# KiCad board tekskey-rounded-half.kicad_pcb (continued)
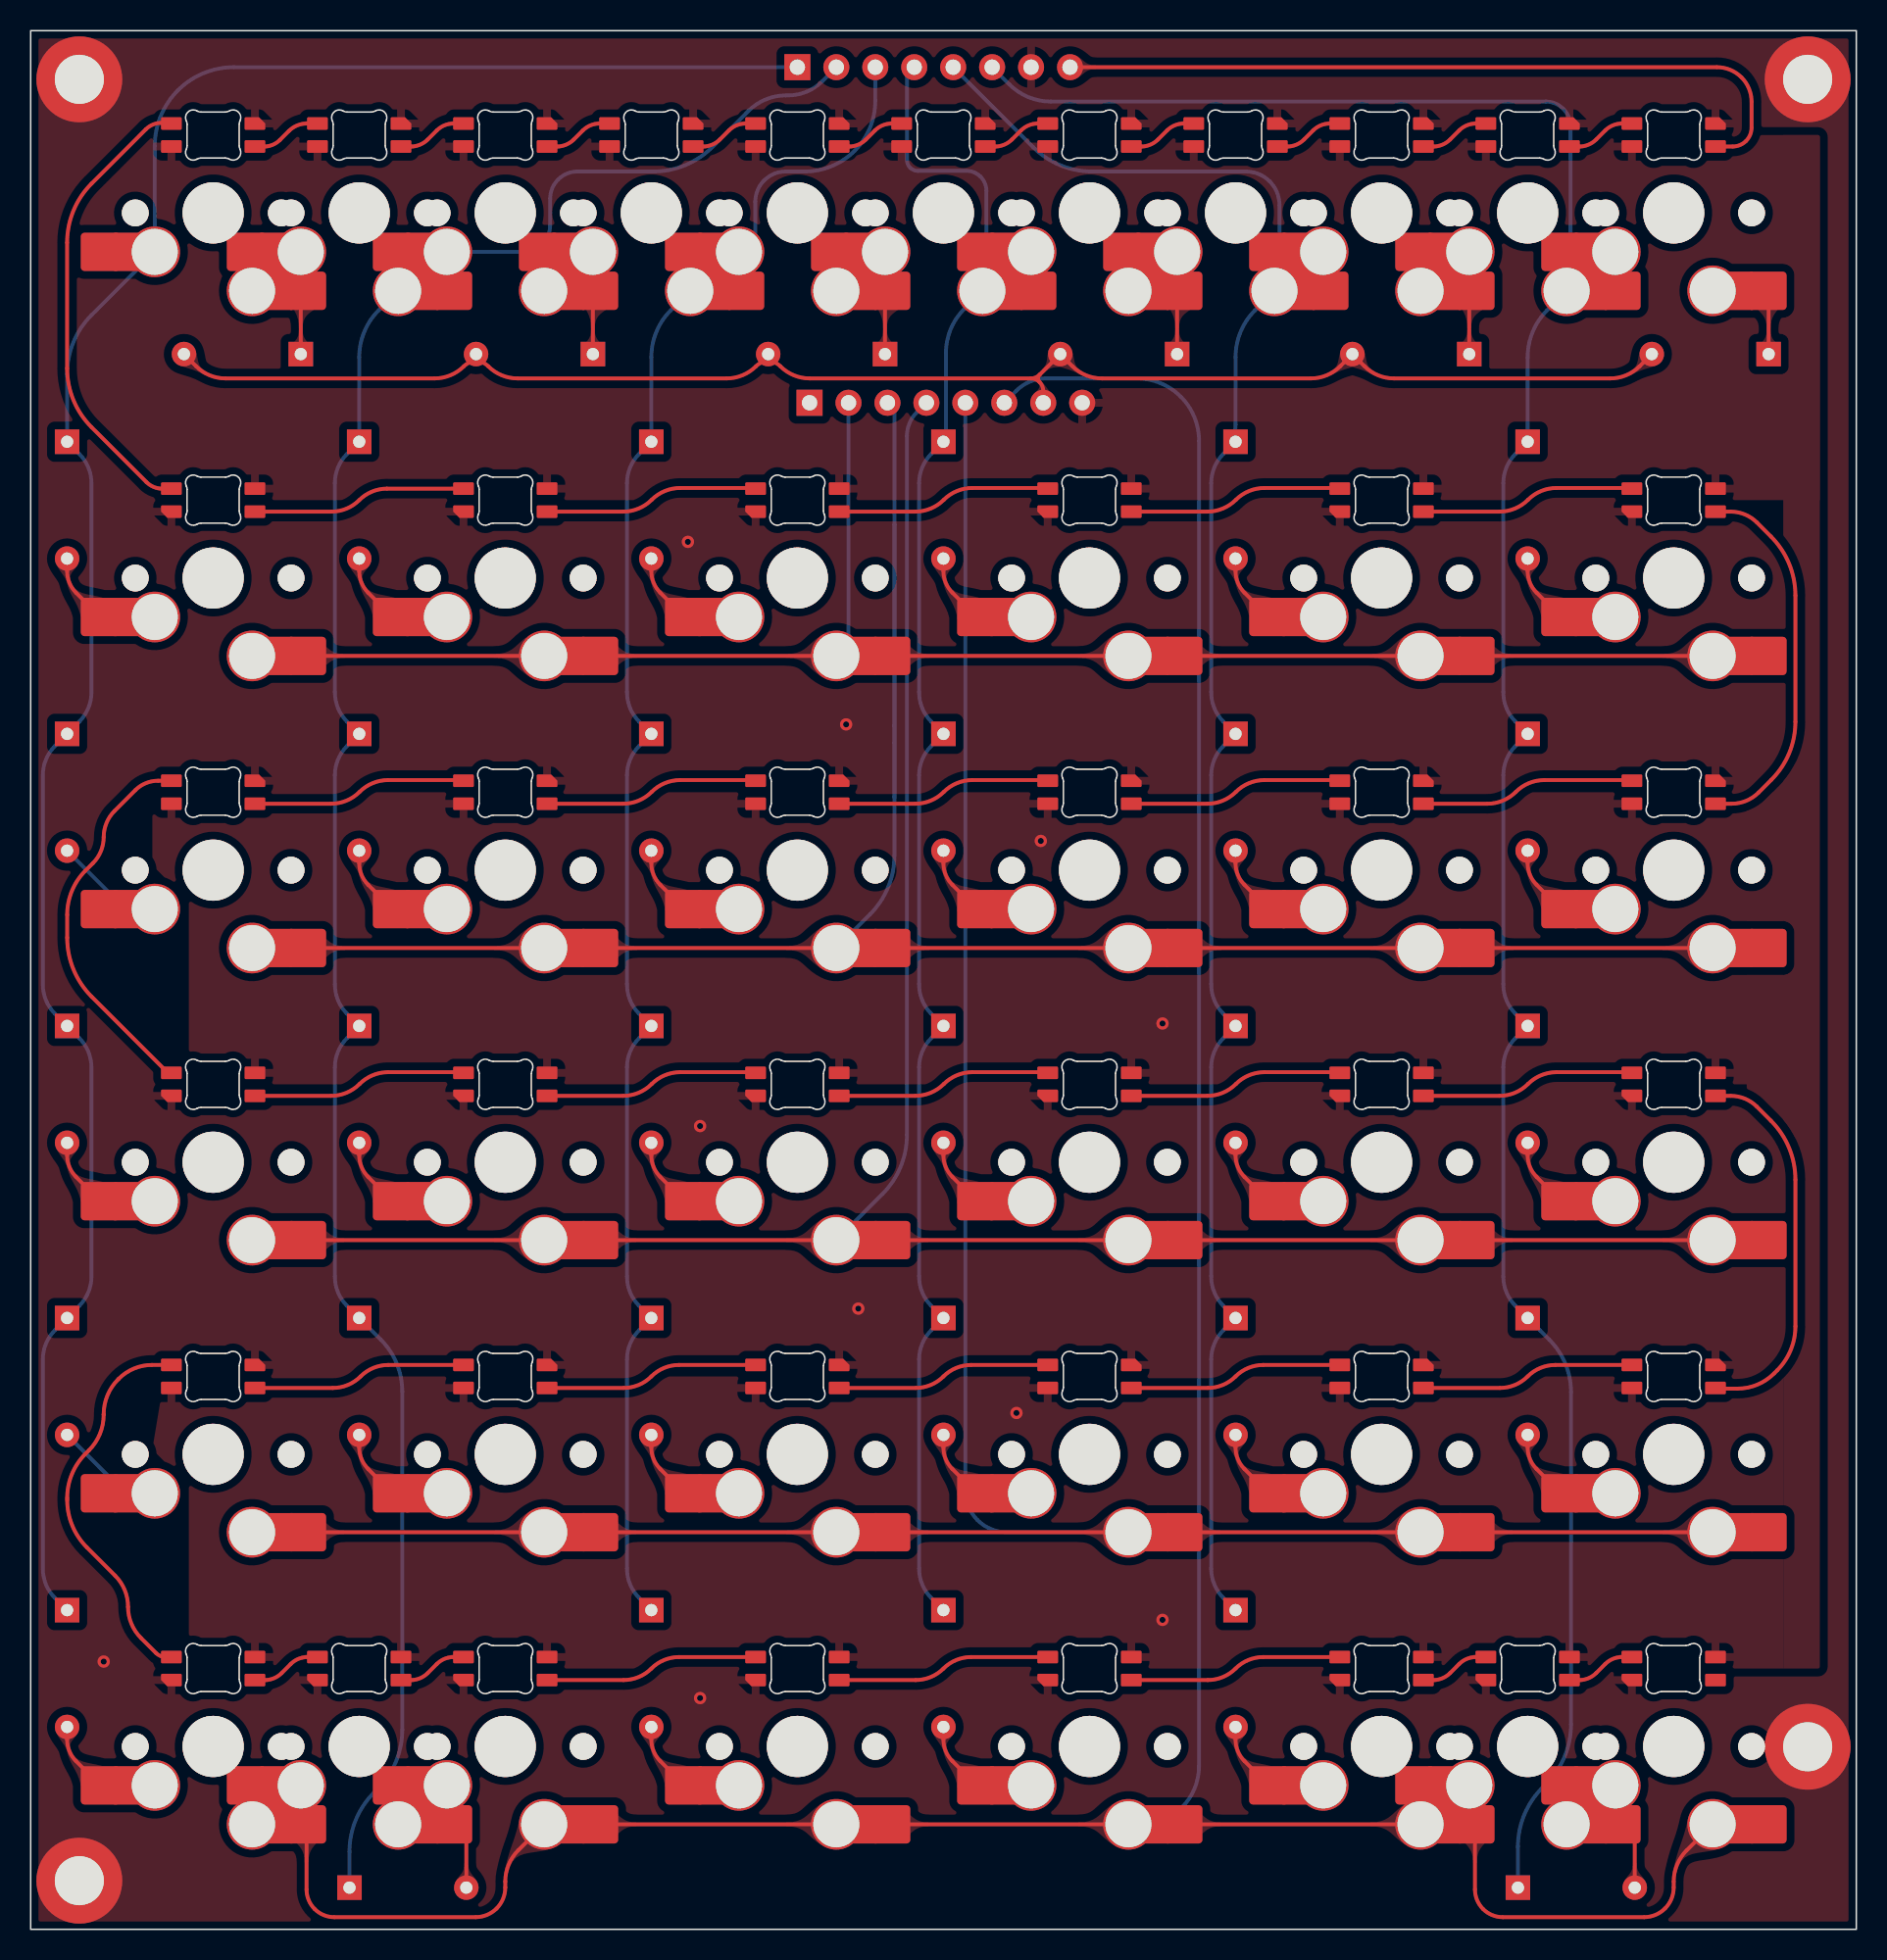
[diagram p0: board, top side]
## Copper pours and planes (outline as drawn; the poured copper is in the pictures) (continued)
col5 on Top: 102.2,108.4 101.97,108.63 101.78,108.84 101.63,109.02 101.51,109.19 101.39,109.36 101.28,109.51 101.17,109.67 101.05,109.85 100.9,110.03 100.72,110.24 99.21,109.63 99.87,108.15 100.07,108.17 100.25,108.18 100.42,108.18 100.57,108.18 100.72,108.16 100.86,108.12 101.01,108.06 101.16,107.97 101.32,107.85 101.49,107.69
col5 on Bottom: 102.4,109.27 102.11,109.01 101.84,108.83 101.58,108.72 101.33,108.65 101.09,108.62 100.84,108.61 100.57,108.6 100.29,108.57 99.97,108.52 99.63,108.42 99.58,106.28 101.73,106.32 101.82,106.67 101.88,106.98 101.9,107.26 101.91,107.53 101.93,107.78 101.96,108.03 102.02,108.28 102.14,108.53 102.32,108.8 102.58,109.1
col5 on Bottom: 96.47,57.42 96.58,57.61 96.7,57.75 96.82,57.85 96.94,57.92 97.07,57.97 97.21,58.01 97.52,58.06 97.7,58.1 97.89,58.16 97.91,59.2 96.87,59.18 96.8,58.98 96.75,58.8 96.66,58.51 96.62,58.38 96.57,58.24 96.52,58.1 96.45,57.94 96.36,57.76 96.25,57.54
col5 on Bottom: 98.09,104.18 98.27,104.52 98.46,104.76 98.68,104.92 98.91,105.02 99.16,105.08 99.43,105.1 99.72,105.12 100.03,105.15 100.36,105.2 100.71,105.3 100.75,107.44 98.61,107.4 98.49,107.03 98.41,106.7 98.36,106.41 98.32,106.14 98.3,105.89 98.26,105.63 98.21,105.35 98.14,105.04 98.02,104.69 97.86,104.28
col5 on Bottom: 96.87,4.31 96.86,4.12 96.83,3.97 96.79,3.84 96.73,3.73 96.67,3.64 96.6,3.54 96.52,3.45 96.43,3.34 96.35,3.22 96.27,3.07 96.99,2.32 97.71,3.07 97.63,3.22 97.55,3.34 97.47,3.45 97.39,3.54 97.31,3.64 97.25,3.73 97.2,3.84 97.15,3.97 97.13,4.12 97.12,4.31
col5 on Bottom: 97.5,98.61 97.49,98.42 97.47,98.27 97.42,98.14 97.37,98.03 97.3,97.93 97.23,97.84 97.15,97.74 97.07,97.64 96.99,97.51 96.91,97.37 97.63,96.62 98.35,97.37 98.27,97.51 98.18,97.64 98.1,97.74 98.02,97.84 97.95,97.93 97.88,98.03 97.83,98.14 97.79,98.27 97.76,98.42 97.75,98.61
col5 on Bottom: 96.25,79.34 96.36,79.13 96.45,78.95 96.52,78.79 96.57,78.64 96.62,78.51 96.66,78.37 96.75,78.08 96.8,77.91 96.87,77.7 97.91,77.68 97.89,78.72 97.7,78.78 97.52,78.82 97.21,78.88 97.07,78.91 96.94,78.96 96.82,79.03 96.7,79.13 96.58,79.27 96.47,79.46
col5 on Bottom: 96.47,95.52 96.58,95.71 96.7,95.85 96.82,95.95 96.94,96.02 97.07,96.07 97.21,96.11 97.52,96.16 97.7,96.2 97.89,96.26 97.91,97.3 96.87,97.28 96.8,97.08 96.75,96.9 96.66,96.61 96.62,96.48 96.57,96.34 96.52,96.2 96.45,96.04 96.36,95.86 96.25,95.64
col5 on Bottom: 100.3,110.15 100.28,109.77 100.21,109.47 100.11,109.22 99.98,109.01 99.82,108.83 99.64,108.67 99.44,108.49 99.24,108.3 99.02,108.08 98.81,107.8 100.04,106.04 101.74,107.34 101.62,107.69 101.47,107.99 101.31,108.23 101.15,108.45 101,108.66 100.86,108.87 100.73,109.11 100.63,109.39 100.57,109.73 100.55,110.15
col5 on Bottom: 96.25,60.29 96.36,60.08 96.45,59.9 96.52,59.74 96.57,59.59 96.62,59.46 96.66,59.32 96.75,59.03 96.8,58.86 96.87,58.65 97.91,58.63 97.89,59.67 97.7,59.73 97.52,59.77 97.21,59.83 97.07,59.86 96.94,59.91 96.82,59.98 96.7,60.08 96.58,60.22 96.47,60.41
col5 on Bottom: 96.47,76.47 96.58,76.66 96.7,76.8 96.82,76.9 96.94,76.97 97.07,77.02 97.21,77.06 97.52,77.11 97.7,77.15 97.89,77.21 97.91,78.25 96.87,78.23 96.8,78.03 96.75,77.85 96.66,77.56 96.62,77.43 96.57,77.29 96.52,77.15 96.45,76.99 96.36,76.81 96.25,76.59
col5 on Bottom: 64.55,119.9 64.31,120.06 64.13,120.22 63.99,120.37 63.89,120.53 63.81,120.69 63.75,120.86 63.7,121.05 63.64,121.25 63.58,121.47 63.5,121.72 62.4,121.74 62.42,120.64 62.68,120.55 62.89,120.48 63.08,120.41 63.25,120.34 63.42,120.27 63.58,120.19 63.75,120.09 63.94,119.98 64.16,119.85 64.42,119.69
col5 on Bottom: 100.82,107.34 101.09,107.58 101.34,107.73 101.58,107.83 101.81,107.87 102.04,107.87 102.28,107.85 102.53,107.81 102.8,107.77 103.1,107.75 103.44,107.75 104.06,109.8 101.99,110.34 101.79,110.02 101.65,109.72 101.56,109.44 101.49,109.17 101.43,108.92 101.37,108.66 101.27,108.4 101.13,108.12 100.93,107.83 100.65,107.52
LEDIN on Top: 69.47,121.57 69.27,121.58 69.11,121.61 68.97,121.65 68.86,121.71 68.76,121.78 68.66,121.86 68.56,121.95 68.44,122.03 68.31,122.12 68.15,122.21 67.36,121.44 68.15,120.68 68.31,120.77 68.44,120.85 68.56,120.94 68.66,121.03 68.76,121.1 68.86,121.17 68.97,121.23 69.11,121.28 69.27,121.31 69.47,121.32
row0 on Top: 68.64,101.57 68.45,101.69 68.31,101.8 68.21,101.92 68.14,102.04 68.09,102.18 68.06,102.32 68,102.63 67.96,102.8 67.9,102.99 66.86,103.02 66.88,101.98 67.09,101.91 67.26,101.85 67.55,101.77 67.69,101.72 67.82,101.68 67.97,101.62 68.12,101.55 68.31,101.46 68.52,101.35
row0 on Top: 65.71,100.82 65.76,100.75 65.79,100.67 65.79,100.6 65.77,100.53 65.73,100.46 65.68,100.4 65.62,100.33 65.57,100.28 65.46,100.19 66.06,99.13 66.54,100.24 66.47,100.29 66.42,100.35 66.36,100.41 66.31,100.48 66.2,100.63 66.14,100.71 66.07,100.8 65.98,100.89 65.89,100.99
row0 on Top: 87.69,101.57 87.5,101.69 87.36,101.8 87.26,101.92 87.19,102.04 87.14,102.18 87.11,102.32 87.05,102.63 87.01,102.8 86.95,102.99 85.91,103.02 85.93,101.98 86.14,101.91 86.31,101.85 86.6,101.77 86.74,101.72 86.87,101.68 87.02,101.62 87.17,101.55 87.36,101.46 87.57,101.35
row0 on Top: 11.49,101.57 11.3,101.69 11.16,101.8 11.06,101.92 10.99,102.04 10.94,102.18 10.91,102.32 10.85,102.63 10.81,102.8 10.75,102.99 9.71,103.02 9.73,101.98 9.94,101.91 10.11,101.85 10.4,101.77 10.54,101.72 10.67,101.68 10.82,101.62 10.97,101.55 11.16,101.46 11.37,101.35
row0 on Top: 84.82,101.35 85.04,101.46 85.22,101.55 85.38,101.62 85.52,101.68 85.66,101.72 85.79,101.77 86.08,101.85 86.26,101.91 86.46,101.98 86.48,103.02 85.44,102.99 85.38,102.8 85.34,102.63 85.28,102.32 85.25,102.18 85.2,102.04 85.13,101.92 85.03,101.8 84.89,101.69 84.7,101.57
row0 on Top: 104.35,101.35 104.56,101.46 104.74,101.55 104.9,101.62 105.05,101.68 105.18,101.72 105.32,101.77 105.61,101.85 105.78,101.91 105.99,101.98 106.01,103.02 104.97,102.99 104.91,102.8 104.87,102.63 104.81,102.32 104.78,102.18 104.73,102.04 104.66,101.92 104.56,101.8 104.42,101.69 104.23,101.57
row0 on Top: 66.11,101.52 66.25,101.65 66.38,101.73 66.5,101.8 66.61,101.83 66.73,101.86 66.84,101.87 66.97,101.88 67.1,101.9 67.25,101.93 67.41,101.98 67.43,103.02 66.39,102.99 66.34,102.83 66.31,102.69 66.3,102.55 66.28,102.43 66.27,102.31 66.25,102.2 66.21,102.08 66.15,101.96 66.06,101.84 65.93,101.7
row1 on Top: 58.58,83.17 58.28,83.19 58.04,83.24 57.84,83.31 57.68,83.4 57.53,83.51 57.38,83.64 57.24,83.77 57.07,83.91 56.87,84.04 56.64,84.17 55.47,83.05 56.64,81.92 56.87,82.05 57.07,82.19 57.24,82.33 57.38,82.46 57.53,82.58 57.68,82.69 57.84,82.79 58.04,82.86 58.28,82.91 58.58,82.92
row1 on Top: 87.35,82.92 87.75,82.9 88.07,82.83 88.33,82.74 88.55,82.61 88.74,82.45 88.93,82.29 89.13,82.11 89.35,81.92 89.61,81.74 89.92,81.56 91.47,83.05 89.92,84.53 89.61,84.36 89.35,84.17 89.13,83.99 88.93,83.81 88.74,83.64 88.55,83.49 88.33,83.36 88.07,83.26 87.75,83.19 87.35,83.17
row1 on Top: 49.25,82.92 49.65,82.9 49.97,82.83 50.23,82.74 50.45,82.61 50.64,82.45 50.83,82.29 51.03,82.11 51.25,81.92 51.51,81.74 51.82,81.56 53.37,83.05 51.82,84.53 51.51,84.36 51.25,84.17 51.03,83.99 50.83,83.81 50.64,83.64 50.45,83.49 50.23,83.36 49.97,83.26 49.65,83.19 49.25,83.17
row1 on Top: 20.48,83.17 20.18,83.19 19.94,83.24 19.74,83.31 19.58,83.4 19.43,83.51 19.28,83.64 19.14,83.77 18.97,83.91 18.77,84.04 18.54,84.17 17.37,83.05 18.54,81.92 18.77,82.05 18.97,82.19 19.14,82.33 19.28,82.46 19.43,82.58 19.58,82.69 19.74,82.79 19.94,82.86 20.18,82.91 20.48,82.92
row1 on Top: 106.4,82.92 106.8,82.9 107.12,82.83 107.38,82.74 107.6,82.61 107.79,82.45 107.98,82.29 108.18,82.11 108.4,81.92 108.66,81.74 108.97,81.56 110.52,83.05 108.97,84.53 108.66,84.36 108.4,84.17 108.18,83.99 107.98,83.81 107.79,83.64 107.6,83.49 107.38,83.36 107.12,83.26 106.8,83.19 106.4,83.17
row1 on Top: 30.2,82.92 30.6,82.9 30.92,82.83 31.18,82.74 31.4,82.61 31.59,82.45 31.78,82.29 31.98,82.11 32.2,81.92 32.46,81.74 32.77,81.56 34.32,83.05 32.77,84.53 32.46,84.36 32.2,84.17 31.98,83.99 31.78,83.81 31.59,83.64 31.4,83.49 31.18,83.36 30.92,83.26 30.6,83.19 30.2,83.17
row1 on Top: 96.68,83.17 96.38,83.19 96.14,83.24 95.94,83.31 95.78,83.4 95.63,83.51 95.48,83.64 95.34,83.77 95.17,83.91 94.97,84.04 94.74,84.17 93.57,83.05 94.74,81.92 94.97,82.05 95.17,82.19 95.34,82.33 95.48,82.46 95.63,82.58 95.78,82.69 95.94,82.79 96.14,82.86 96.38,82.91 96.68,82.92
row1 on Top: 77.63,83.17 77.33,83.19 77.09,83.24 76.89,83.31 76.73,83.4 76.58,83.51 76.43,83.64 76.29,83.77 76.12,83.91 75.92,84.04 75.69,84.17 74.52,83.05 75.69,81.92 75.92,82.05 76.12,82.19 76.29,82.33 76.43,82.46 76.58,82.58 76.73,82.69 76.89,82.79 77.09,82.86 77.33,82.91 77.63,82.92
row1 on Top: 68.3,82.92 68.7,82.9 69.02,82.83 69.28,82.74 69.5,82.61 69.69,82.45 69.88,82.29 70.08,82.11 70.3,81.92 70.56,81.74 70.87,81.56 72.42,83.05 70.87,84.53 70.56,84.36 70.3,84.17 70.08,83.99 69.88,83.81 69.69,83.64 69.5,83.49 69.28,83.36 69.02,83.26 68.7,83.19 68.3,83.17
row1 on Top: 39.53,83.17 39.23,83.19 38.99,83.24 38.79,83.31 38.63,83.4 38.48,83.51 38.33,83.64 38.19,83.77 38.02,83.91 37.82,84.04 37.59,84.17 36.42,83.05 37.59,81.92 37.82,82.05 38.02,82.19 38.19,82.33 38.33,82.46 38.48,82.58 38.63,82.69 38.79,82.79 38.99,82.86 39.23,82.91 39.53,82.92
row1 on Bottom: 53.21,86.15 53.19,85.83 53.12,85.57 53.02,85.36 52.89,85.19 52.72,85.05 52.53,84.93 52.32,84.82 52.09,84.7 51.84,84.56 51.58,84.39 52.15,82.32 54.19,83.05 54.17,83.44 54.12,83.76 54.03,84.04 53.93,84.29 53.83,84.53 53.72,84.78 53.62,85.05 53.54,85.35 53.48,85.71 53.46,86.15
row1 on Bottom: 53.46,97.87 53.47,98.07 53.5,98.23 53.55,98.37 53.6,98.48 53.67,98.58 53.75,98.68 53.84,98.78 53.93,98.9 54.01,99.03 54.1,99.19 53.34,99.98 52.57,99.19 52.66,99.03 52.75,98.9 52.83,98.78 52.92,98.68 53,98.58 53.07,98.48 53.13,98.37 53.17,98.23 53.2,98.07 53.21,97.87
row2 on Top: 96.68,64.12 96.38,64.14 96.14,64.19 95.94,64.26 95.78,64.35 95.63,64.46 95.48,64.59 95.34,64.72 95.17,64.86 94.97,64.99 94.74,65.12 93.57,64 94.74,62.87 94.97,63 95.17,63.14 95.34,63.28 95.48,63.41 95.63,63.53 95.78,63.64 95.94,63.74 96.14,63.81 96.38,63.86 96.68,63.87
row2 on Top: 68.3,63.87 68.7,63.85 69.02,63.78 69.28,63.69 69.5,63.56 69.69,63.4 69.88,63.24 70.08,63.06 70.3,62.87 70.56,62.69 70.87,62.51 72.42,64 70.87,65.48 70.56,65.31 70.3,65.12 70.08,64.94 69.88,64.76 69.69,64.59 69.5,64.44 69.28,64.31 69.02,64.21 68.7,64.14 68.3,64.12
row2 on Top: 87.35,63.87 87.75,63.85 88.07,63.78 88.33,63.69 88.55,63.56 88.74,63.4 88.93,63.24 89.13,63.06 89.35,62.87 89.61,62.69 89.92,62.51 91.47,64 89.92,65.48 89.61,65.31 89.35,65.12 89.13,64.94 88.93,64.76 88.74,64.59 88.55,64.44 88.33,64.31 88.07,64.21 87.75,64.14 87.35,64.12
row2 on Top: 106.4,63.87 106.8,63.85 107.12,63.78 107.38,63.69 107.6,63.56 107.79,63.4 107.98,63.24 108.18,63.06 108.4,62.87 108.66,62.69 108.97,62.51 110.52,64 108.97,65.48 108.66,65.31 108.4,65.12 108.18,64.94 107.98,64.76 107.79,64.59 107.6,64.44 107.38,64.31 107.12,64.21 106.8,64.14 106.4,64.12
row2 on Top: 39.53,64.12 39.23,64.14 38.99,64.19 38.79,64.26 38.63,64.35 38.48,64.46 38.33,64.59 38.19,64.72 38.02,64.86 37.82,64.99 37.59,65.12 36.42,64 37.59,62.87 37.82,63 38.02,63.14 38.19,63.28 38.33,63.41 38.48,63.53 38.63,63.64 38.79,63.74 38.99,63.81 39.23,63.86 39.53,63.87
row2 on Top: 58.58,64.12 58.28,64.14 58.04,64.19 57.84,64.26 57.68,64.35 57.53,64.46 57.38,64.59 57.24,64.72 57.07,64.86 56.87,64.99 56.64,65.12 55.47,64 56.64,62.87 56.87,63 57.07,63.14 57.24,63.28 57.38,63.41 57.53,63.53 57.68,63.64 57.84,63.74 58.04,63.81 58.28,63.86 58.58,63.87
row2 on Top: 30.2,63.87 30.6,63.85 30.92,63.78 31.18,63.69 31.4,63.56 31.59,63.4 31.78,63.24 31.98,63.06 32.2,62.87 32.46,62.69 32.77,62.51 34.32,64 32.77,65.48 32.46,65.31 32.2,65.12 31.98,64.94 31.78,64.76 31.59,64.59 31.4,64.44 31.18,64.31 30.92,64.21 30.6,64.14 30.2,64.12
row2 on Top: 20.48,64.12 20.18,64.14 19.94,64.19 19.74,64.26 19.58,64.35 19.43,64.46 19.28,64.59 19.14,64.72 18.97,64.86 18.77,64.99 18.54,65.12 17.37,64 18.54,62.87 18.77,63 18.97,63.14 19.14,63.28 19.28,63.41 19.43,63.53 19.58,63.64 19.74,63.74 19.94,63.81 20.18,63.86 20.48,63.87
row2 on Top: 49.25,63.87 49.65,63.85 49.97,63.78 50.23,63.69 50.45,63.56 50.64,63.4 50.83,63.24 51.03,63.06 51.25,62.87 51.51,62.69 51.82,62.51 53.37,64 51.82,65.48 51.51,65.31 51.25,65.12 51.03,64.94 50.83,64.76 50.64,64.59 50.45,64.44 50.23,64.31 49.97,64.21 49.65,64.14 49.25,64.12
row2 on Top: 77.63,64.12 77.33,64.14 77.09,64.19 76.89,64.26 76.73,64.35 76.58,64.46 76.43,64.59 76.29,64.72 76.12,64.86 75.92,64.99 75.69,65.12 74.52,64 75.69,62.87 75.92,63 76.12,63.14 76.29,63.28 76.43,63.41 76.58,63.53 76.73,63.64 76.89,63.74 77.09,63.81 77.33,63.86 77.63,63.87
row2 on Bottom: 55.6,67.58 55.31,67.09 55.03,66.72 54.73,66.45 54.42,66.25 54.09,66.11 53.74,66 53.36,65.91 52.95,65.82 52.5,65.71 52,65.56 51.96,63.41 54.1,63.46 54.28,63.96 54.43,64.39 54.56,64.77 54.69,65.1 54.82,65.42 54.96,65.75 55.12,66.09 55.32,66.48 55.55,66.93 55.82,67.46
row2 on Bottom: 56.46,97.98 56.46,98.2 56.48,98.38 56.51,98.54 56.55,98.68 56.59,98.8 56.63,98.93 56.67,99.06 56.7,99.2 56.72,99.36 56.73,99.56 55.65,99.92 55.42,98.84 55.55,98.76 55.67,98.7 55.78,98.64 55.89,98.59 55.98,98.52 56.06,98.45 56.12,98.37 56.17,98.27 56.2,98.14 56.21,97.98
row3 on Top: 30.2,44.82 30.6,44.8 30.92,44.73 31.18,44.64 31.4,44.51 31.59,44.35 31.78,44.19 31.98,44.01 32.2,43.82 32.46,43.64 32.77,43.46 34.32,44.95 32.77,46.43 32.46,46.26 32.2,46.07 31.98,45.89 31.78,45.71 31.59,45.54 31.4,45.39 31.18,45.26 30.92,45.16 30.6,45.09 30.2,45.07
row3 on Top: 68.3,44.82 68.7,44.8 69.02,44.73 69.28,44.64 69.5,44.51 69.69,44.35 69.88,44.19 70.08,44.01 70.3,43.82 70.56,43.64 70.87,43.46 72.42,44.95 70.87,46.43 70.56,46.26 70.3,46.07 70.08,45.89 69.88,45.71 69.69,45.54 69.5,45.39 69.28,45.26 69.02,45.16 68.7,45.09 68.3,45.07
row3 on Top: 20.48,45.07 20.18,45.09 19.94,45.14 19.74,45.21 19.58,45.3 19.43,45.41 19.28,45.54 19.14,45.67 18.97,45.81 18.77,45.94 18.54,46.07 17.37,44.95 18.54,43.82 18.77,43.95 18.97,44.09 19.14,44.23 19.28,44.36 19.43,44.48 19.58,44.59 19.74,44.69 19.94,44.76 20.18,44.81 20.48,44.82
row3 on Top: 58.58,45.07 58.28,45.09 58.04,45.14 57.84,45.21 57.68,45.3 57.53,45.41 57.38,45.54 57.24,45.67 57.07,45.81 56.87,45.94 56.64,46.07 55.47,44.95 56.64,43.82 56.87,43.95 57.07,44.09 57.24,44.23 57.38,44.36 57.53,44.48 57.68,44.59 57.84,44.69 58.04,44.76 58.28,44.81 58.58,44.82
row3 on Top: 106.4,44.82 106.8,44.8 107.12,44.73 107.38,44.64 107.6,44.51 107.79,44.35 107.98,44.19 108.18,44.01 108.4,43.82 108.66,43.64 108.97,43.46 110.52,44.95 108.97,46.43 108.66,46.26 108.4,46.07 108.18,45.89 107.98,45.71 107.79,45.54 107.6,45.39 107.38,45.26 107.12,45.16 106.8,45.09 106.4,45.07
row3 on Top: 39.53,45.07 39.23,45.09 38.99,45.14 38.79,45.21 38.63,45.3 38.48,45.41 38.33,45.54 38.19,45.67 38.02,45.81 37.82,45.94 37.59,46.07 36.42,44.95 37.59,43.82 37.82,43.95 38.02,44.09 38.19,44.23 38.33,44.36 38.48,44.48 38.63,44.59 38.79,44.69 38.99,44.76 39.23,44.81 39.53,44.82
row3 on Top: 96.68,45.07 96.38,45.09 96.14,45.14 95.94,45.21 95.78,45.3 95.63,45.41 95.48,45.54 95.34,45.67 95.17,45.81 94.97,45.94 94.74,46.07 93.57,44.95 94.74,43.82 94.97,43.95 95.17,44.09 95.34,44.23 95.48,44.36 95.63,44.48 95.78,44.59 95.94,44.69 96.14,44.76 96.38,44.81 96.68,44.82
row3 on Top: 87.35,44.82 87.75,44.8 88.07,44.73 88.33,44.64 88.55,44.51 88.74,44.35 88.93,44.19 89.13,44.01 89.35,43.82 89.61,43.64 89.92,43.46 91.47,44.95 89.92,46.43 89.61,46.26 89.35,46.07 89.13,45.89 88.93,45.71 88.74,45.54 88.55,45.39 88.33,45.26 88.07,45.16 87.75,45.09 87.35,45.07
row3 on Top: 77.63,45.07 77.33,45.09 77.09,45.14 76.89,45.21 76.73,45.3 76.58,45.41 76.43,45.54 76.29,45.67 76.12,45.81 75.92,45.94 75.69,46.07 74.52,44.95 75.69,43.82 75.92,43.95 76.12,44.09 76.29,44.23 76.43,44.36 76.58,44.48 76.73,44.59 76.89,44.69 77.09,44.76 77.33,44.81 77.63,44.82
row3 on Top: 49.25,44.82 49.65,44.8 49.97,44.73 50.23,44.64 50.45,44.51 50.64,44.35 50.83,44.19 51.03,44.01 51.25,43.82 51.51,43.64 51.82,43.46 53.37,44.95 51.82,46.43 51.51,46.26 51.25,46.07 51.03,45.89 50.83,45.71 50.64,45.54 50.45,45.39 50.23,45.26 49.97,45.16 49.65,45.09 49.25,45.07
row3 on Bottom: 54.78,47.36 54.48,47.1 54.21,46.92 53.96,46.8 53.71,46.74 53.46,46.71 53.21,46.69 52.95,46.68 52.66,46.66 52.35,46.61 52,46.51 51.96,44.36 54.1,44.41 54.2,44.75 54.25,45.07 54.28,45.35 54.29,45.62 54.3,45.87 54.33,46.12 54.4,46.36 54.51,46.62 54.69,46.89 54.96,47.19
row3 on Bottom: 57.43,98.17 57.51,98.34 57.6,98.46 57.71,98.54 57.82,98.6 57.94,98.63 58.07,98.65 58.21,98.66 58.36,98.68 58.52,98.71 58.69,98.75 58.72,99.86 57.61,99.84 57.55,99.65 57.51,99.49 57.48,99.34 57.45,99.21 57.43,99.08 57.41,98.95 57.38,98.81 57.34,98.65 57.28,98.48 57.2,98.27
row4 on Top: 87.35,25.77 87.75,25.75 88.07,25.68 88.33,25.59 88.55,25.46 88.74,25.3 88.93,25.14 89.13,24.96 89.35,24.77 89.61,24.59 89.92,24.41 91.47,25.9 89.92,27.38 89.61,27.21 89.35,27.02 89.13,26.84 88.93,26.66 88.74,26.49 88.55,26.34 88.33,26.21 88.07,26.11 87.75,26.04 87.35,26.02
row4 on Top: 77.63,26.02 77.33,26.04 77.09,26.09 76.89,26.16 76.73,26.25 76.58,26.36 76.43,26.49 76.29,26.62 76.12,26.76 75.92,26.89 75.69,27.02 74.52,25.9 75.69,24.77 75.92,24.9 76.12,25.04 76.29,25.18 76.43,25.31 76.58,25.43 76.73,25.54 76.89,25.64 77.09,25.71 77.33,25.76 77.63,25.77
row4 on Top: 58.58,26.02 58.28,26.04 58.04,26.09 57.84,26.16 57.68,26.25 57.53,26.36 57.38,26.49 57.24,26.62 57.07,26.76 56.87,26.89 56.64,27.02 55.47,25.9 56.64,24.77 56.87,24.9 57.07,25.04 57.24,25.18 57.38,25.31 57.53,25.43 57.68,25.54 57.84,25.64 58.04,25.71 58.28,25.76 58.58,25.77
row4 on Top: 39.53,26.02 39.23,26.04 38.99,26.09 38.79,26.16 38.63,26.25 38.48,26.36 38.33,26.49 38.19,26.62 38.02,26.76 37.82,26.89 37.59,27.02 36.42,25.9 37.59,24.77 37.82,24.9 38.02,25.04 38.19,25.18 38.33,25.31 38.48,25.43 38.63,25.54 38.79,25.64 38.99,25.71 39.23,25.76 39.53,25.77
row4 on Top: 106.4,25.77 106.8,25.75 107.12,25.68 107.38,25.59 107.6,25.46 107.79,25.3 107.98,25.14 108.18,24.96 108.4,24.77 108.66,24.59 108.97,24.41 110.52,25.9 108.97,27.38 108.66,27.21 108.4,27.02 108.18,26.84 107.98,26.66 107.79,26.49 107.6,26.34 107.38,26.21 107.12,26.11 106.8,26.04 106.4,26.02
row4 on Top: 20.48,26.02 20.18,26.04 19.94,26.09 19.74,26.16 19.58,26.25 19.43,26.36 19.28,26.49 19.14,26.62 18.97,26.76 18.77,26.89 18.54,27.02 17.37,25.9 18.54,24.77 18.77,24.9 18.97,25.04 19.14,25.18 19.28,25.31 19.43,25.43 19.58,25.54 19.74,25.64 19.94,25.71 20.18,25.76 20.48,25.77
row4 on Top: 68.3,25.77 68.7,25.75 69.02,25.68 69.28,25.59 69.5,25.46 69.69,25.3 69.88,25.14 70.08,24.96 70.3,24.77 70.56,24.59 70.87,24.41 72.42,25.9 70.87,27.38 70.56,27.21 70.3,27.02 70.08,26.84 69.88,26.66 69.69,26.49 69.5,26.34 69.28,26.21 69.02,26.11 68.7,26.04 68.3,26.02
row4 on Top: 49.25,25.77 49.65,25.75 49.97,25.68 50.23,25.59 50.45,25.46 50.64,25.3 50.83,25.14 51.03,24.96 51.25,24.77 51.51,24.59 51.82,24.41 53.37,25.9 51.82,27.38 51.51,27.21 51.25,27.02 51.03,26.84 50.83,26.66 50.64,26.49 50.45,26.34 50.23,26.21 49.97,26.11 49.65,26.04 49.25,26.02
row4 on Top: 30.2,25.77 30.6,25.75 30.92,25.68 31.18,25.59 31.4,25.46 31.59,25.3 31.78,25.14 31.98,24.96 32.2,24.77 32.46,24.59 32.77,24.41 34.32,25.9 32.77,27.38 32.46,27.21 32.2,27.02 31.98,26.84 31.78,26.66 31.59,26.49 31.4,26.34 31.18,26.21 30.92,26.11 30.6,26.04 30.2,26.02
row4 on Top: 96.68,26.02 96.38,26.04 96.14,26.09 95.94,26.16 95.78,26.25 95.63,26.36 95.48,26.49 95.34,26.62 95.17,26.76 94.97,26.89 94.74,27.02 93.57,25.9 94.74,24.77 94.97,24.9 95.17,25.04 95.34,25.18 95.48,25.31 95.63,25.43 95.78,25.54 95.94,25.64 96.14,25.71 96.38,25.76 96.68,25.77
row4 on Bottom: 68.3,25.77 68.7,25.75 69.02,25.68 69.28,25.59 69.5,25.46 69.69,25.3 69.88,25.14 70.08,24.96 70.3,24.77 70.56,24.59 70.87,24.41 72.42,25.9 70.87,27.38 70.56,27.21 70.3,27.02 70.08,26.84 69.88,26.66 69.69,26.49 69.5,26.34 69.28,26.21 69.02,26.11 68.7,26.04 68.3,26.02
row4 on Bottom: 61.08,97.87 61.09,98.07 61.12,98.23 61.17,98.37 61.22,98.48 61.29,98.58 61.37,98.68 61.46,98.78 61.55,98.9 61.63,99.03 61.72,99.19 60.96,99.98 60.19,99.19 60.28,99.03 60.37,98.9 60.45,98.78 60.54,98.68 60.62,98.58 60.69,98.48 60.75,98.37 60.79,98.23 60.82,98.07 60.83,97.87
row5 on Top: 94.32,4.36 94.33,4.65 94.38,4.9 94.45,5.09 94.55,5.26 94.66,5.41 94.78,5.55 94.91,5.7 95.05,5.87 95.19,6.06 95.32,6.3 94.19,7.47 93.07,6.3 93.2,6.06 93.33,5.87 93.47,5.7 93.6,5.55 93.73,5.41 93.84,5.26 93.93,5.09 94,4.9 94.05,4.65 94.07,4.36
row5 on Top: 107.34,3.69 107.47,4.12 107.64,4.43 107.85,4.66 108.11,4.81 108.39,4.92 108.71,4.98 109.06,5.04 109.43,5.09 109.82,5.17 110.23,5.29 110.27,7.43 108.08,7.19 107.98,6.76 107.88,6.4 107.79,6.09 107.69,5.81 107.6,5.54 107.51,5.27 107.41,4.97 107.31,4.63 107.2,4.23 107.09,3.75
row5 on Top: 39.53,6.97 39.23,6.99 38.99,7.04 38.79,7.11 38.63,7.2 38.48,7.31 38.33,7.44 38.19,7.57 38.02,7.71 37.82,7.84 37.59,7.97 36.42,6.85 37.59,5.72 37.82,5.85 38.02,5.99 38.19,6.13 38.33,6.26 38.48,6.38 38.63,6.49 38.79,6.59 38.99,6.66 39.23,6.71 39.53,6.72
row5 on Top: 49.25,6.72 49.65,6.7 49.97,6.63 50.23,6.54 50.45,6.41 50.64,6.25 50.83,6.09 51.03,5.91 51.25,5.72 51.51,5.54 51.82,5.36 53.37,6.85 51.82,8.33 51.51,8.16 51.25,7.97 51.03,7.79 50.83,7.61 50.64,7.44 50.45,7.29 50.23,7.16 49.97,7.06 49.65,6.99 49.25,6.97
row5 on Top: 87.35,6.72 87.75,6.7 88.07,6.63 88.33,6.54 88.55,6.41 88.74,6.25 88.93,6.09 89.13,5.91 89.35,5.72 89.61,5.54 89.92,5.36 91.47,6.85 89.92,8.33 89.61,8.16 89.35,7.97 89.13,7.79 88.93,7.61 88.74,7.44 88.55,7.29 88.33,7.16 88.07,7.06 87.75,6.99 87.35,6.97
row5 on Top: 91.43,7.5 91.68,7.27 91.91,7.06 92.12,6.89 92.32,6.74 92.51,6.61 92.69,6.48 92.85,6.37 93,6.25 93.14,6.14 93.26,6.01 94.77,6.61 94.11,8.09 94,8.1 93.89,8.12 93.77,8.16 93.66,8.22 93.54,8.29 93.41,8.39 93.28,8.5 93.15,8.62 93,8.76 92.85,8.91
row5 on Top: 68.3,6.72 68.7,6.7 69.02,6.63 69.28,6.54 69.5,6.41 69.69,6.25 69.88,6.09 70.08,5.91 70.3,5.72 70.56,5.54 70.87,5.36 72.42,6.85 70.87,8.33 70.56,8.16 70.3,7.97 70.08,7.79 69.88,7.61 69.69,7.44 69.5,7.29 69.28,7.16 69.02,7.06 68.7,6.99 68.3,6.97
row5 on Top: 93.02,8.74 92.78,8.97 92.55,9.17 92.34,9.34 92.13,9.49 91.94,9.63 91.77,9.75 91.61,9.87 91.46,9.98 91.32,10.1 91.19,10.22 89.69,9.62 90.35,8.14 90.46,8.14 90.57,8.12 90.69,8.07 90.8,8.02 90.92,7.94 91.04,7.85 91.17,7.74 91.31,7.61 91.46,7.48 91.61,7.32
row5 on Top: 31.14,3.69 31.27,4.12 31.44,4.43 31.65,4.66 31.91,4.81 32.19,4.92 32.51,4.98 32.86,5.04 33.23,5.09 33.62,5.17 34.03,5.29 34.07,7.43 31.88,7.19 31.78,6.76 31.68,6.4 31.59,6.09 31.49,5.81 31.4,5.54 31.31,5.27 31.21,4.97 31.11,4.63 31,4.23 30.89,3.75
row5 on Top: 77.63,6.97 77.33,6.99 77.09,7.04 76.89,7.11 76.73,7.2 76.58,7.31 76.43,7.44 76.29,7.57 76.12,7.71 75.92,7.84 75.69,7.97 74.52,6.85 75.69,5.72 75.92,5.85 76.12,5.99 76.29,6.13 76.43,6.26 76.58,6.38 76.73,6.49 76.89,6.59 77.09,6.66 77.33,6.71 77.63,6.72
row5 on Top: 18.12,4.36 18.13,4.65 18.18,4.9 18.25,5.09 18.35,5.26 18.46,5.41 18.58,5.55 18.71,5.7 18.85,5.87 18.99,6.06 19.12,6.3 17.99,7.47 16.87,6.3 17,6.06 17.13,5.87 17.27,5.7 17.4,5.55 17.53,5.41 17.64,5.26 17.73,5.09 17.8,4.9 17.85,4.65 17.87,4.36
row5 on Top: 15.59,7.85 15.81,7.62 16,7.41 16.15,7.22 16.28,7.05 16.39,6.89 16.5,6.73 16.61,6.57 16.74,6.4 16.88,6.22 17.06,6.01 18.57,6.61 17.91,8.09 17.71,8.08 17.53,8.07 17.37,8.06 17.21,8.07 17.06,8.09 16.92,8.13 16.77,8.19 16.62,8.28 16.47,8.4 16.29,8.56
row5 on Top: 58.58,6.97 58.28,6.99 58.04,7.04 57.84,7.11 57.68,7.2 57.53,7.31 57.38,7.44 57.24,7.57 57.07,7.71 56.87,7.84 56.64,7.97 55.47,6.85 56.64,5.72 56.87,5.85 57.07,5.99 57.24,6.13 57.38,6.26 57.53,6.38 57.68,6.49 57.84,6.59 58.04,6.66 58.28,6.71 58.58,6.72
row5 on Bottom: 15.1,7.33 15.37,7.56 15.62,7.72 15.85,7.82 16.08,7.86 16.31,7.86 16.55,7.83 16.81,7.8 17.08,7.76 17.38,7.74 17.71,7.74 18.34,9.79 16.26,10.33 16.06,10 15.92,9.7 15.83,9.43 15.76,9.16 15.71,8.9 15.64,8.65 15.55,8.39 15.41,8.11 15.21,7.82 14.92,7.5
row5 on Bottom: 64.92,100.96 64.69,100.85 64.5,100.77 64.34,100.7 64.19,100.65 64.05,100.6 63.91,100.57 63.76,100.53 63.6,100.48 63.42,100.43 63.22,100.36 63.19,99.26 64.3,99.28 64.36,99.47 64.4,99.66 64.45,99.98 64.48,100.12 64.53,100.26 64.6,100.39 64.7,100.51 64.84,100.62 65.03,100.74
row5 on Bottom: 92.88,9.26 92.58,9 92.31,8.82 92.06,8.7 91.81,8.64 91.56,8.61 91.31,8.59 91.05,8.58 90.76,8.56 90.45,8.51 90.1,8.41 90.06,6.26 92.2,6.31 92.3,6.65 92.35,6.97 92.38,7.25 92.39,7.52 92.4,7.77 92.43,8.02 92.5,8.26 92.61,8.52 92.79,8.79 93.06,9.09
row5 on Bottom: 91.3,7.33 91.57,7.56 91.82,7.72 92.05,7.82 92.28,7.86 92.51,7.86 92.75,7.83 93.01,7.8 93.28,7.76 93.58,7.74 93.91,7.74 94.54,9.79 92.46,10.33 92.26,10 92.12,9.7 92.03,9.43 91.96,9.16 91.91,8.9 91.84,8.65 91.75,8.39 91.61,8.11 91.41,7.82 91.12,7.5
row5 on Bottom: 16.68,9.26 16.38,9 16.11,8.82 15.86,8.7 15.61,8.64 15.36,8.61 15.11,8.59 14.85,8.58 14.56,8.56 14.25,8.51 13.9,8.41 13.86,6.26 16,6.31 16.1,6.65 16.15,6.97 16.18,7.25 16.19,7.52 16.2,7.77 16.23,8.02 16.3,8.26 16.41,8.52 16.59,8.79 16.86,9.09
row5 on Bottom: 74.64,7.69 74.37,7.49 74.12,7.4 73.89,7.39 73.67,7.45 73.46,7.56 73.24,7.72 73.01,7.89 72.76,8.07 72.49,8.24 72.19,8.39 70.77,6.78 72.71,5.63 72.96,5.86 73.18,6.06 73.37,6.23 73.55,6.38 73.88,6.68 74.07,6.84 74.28,7.03 74.52,7.25 74.81,7.51